# Altium PCB OneBox.PcbDoc (part 5 of 13)
Units mm, origin at the board's own origin, x right, y up, seen from the top; angles counter-clockwise.
Board outline 101 x 69 mm, 6 copper layers (L1_Sig, L2_Gnd, L3_Pow, L4_Sig, L5_Gnd, L6_Sig), stack 1.538 mm thick; 766 components, 563 nets, 3133 pads, 2914 vias.
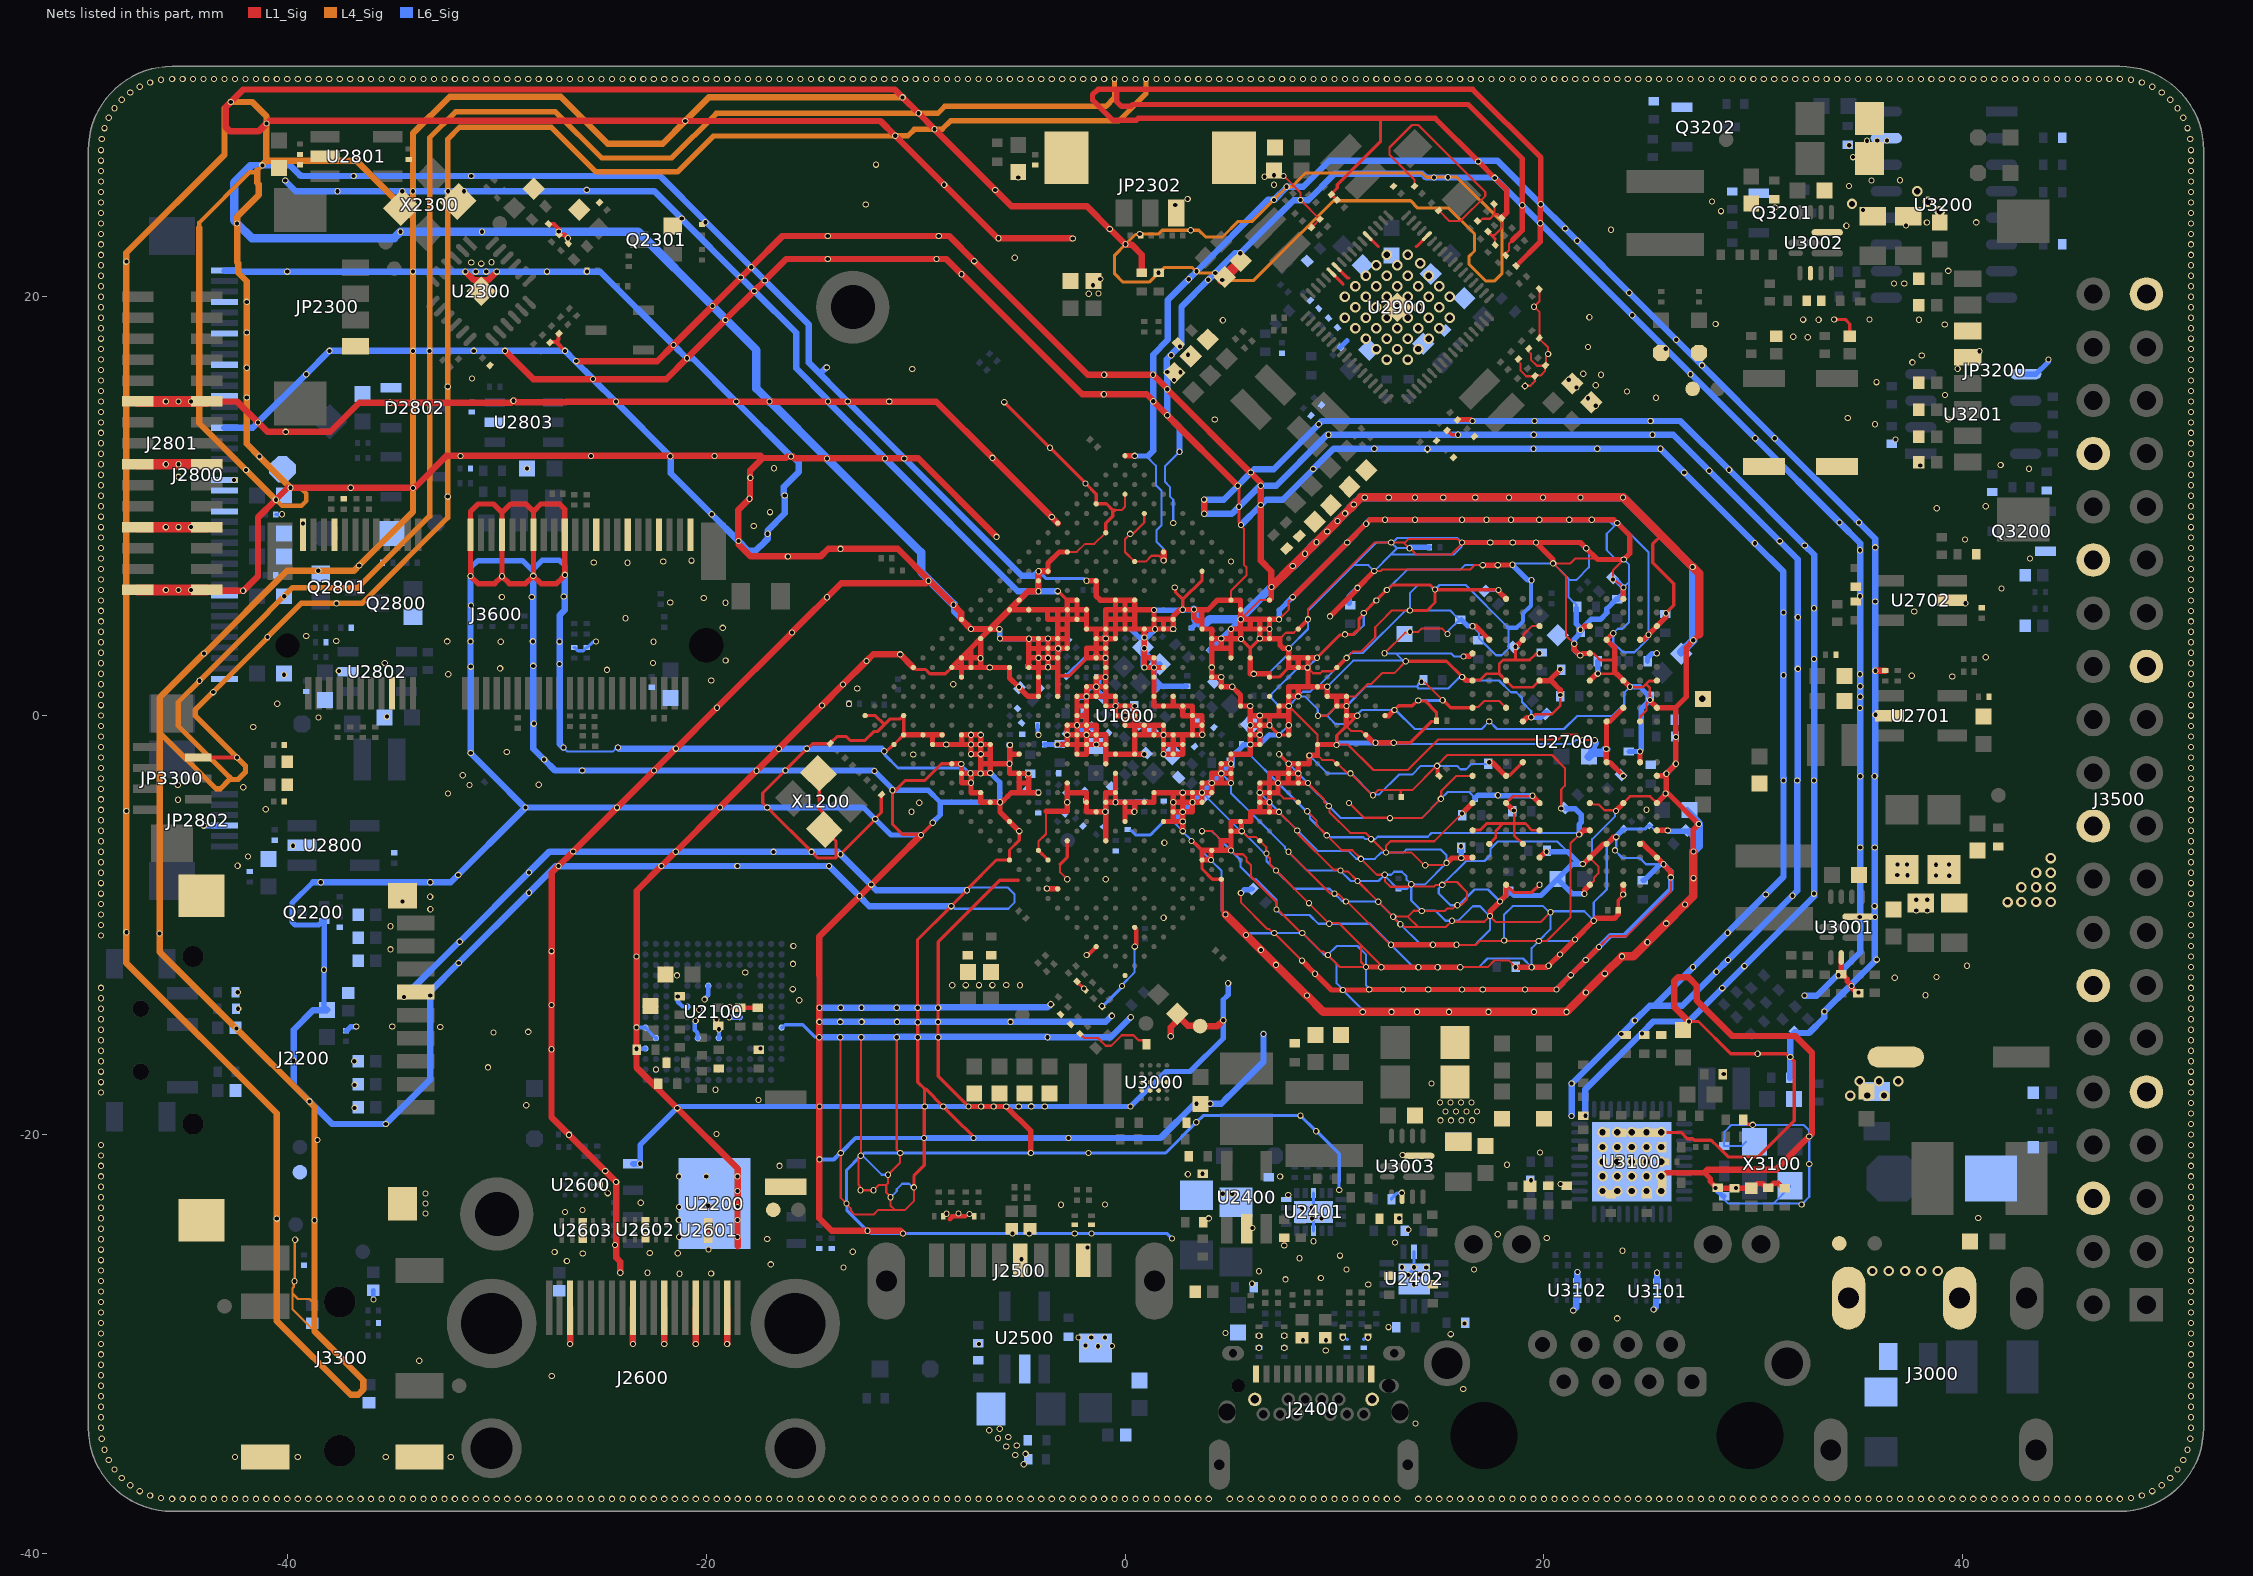
[diagram p9: the nets of this part, all layers, seen from the top]

## Via types
v1: diameter 0.3, hole 0.2, L1_Sig to L6_Sig, tented both sides, 2711 vias
v2: diameter 0.5, hole 0.3, L1_Sig to L6_Sig, tented both sides, 199 vias
v3: diameter 0.305, hole 0.203, L1_Sig to L6_Sig, tented both sides, 4 vias

## Nets (pads, with @x,y where several pads share a name; then routed paths per layer and width w, separated by ;. In a path a pad name is that pad's centre, name@x,y a point inside that pad or via, vN(x,y) a via of type N, cw(c..) or ccw(c..) an arc to the next point about the centre after c; other vN are vias at no path point) (continued)
GND: C1000.1 C1001.1 C1002.1 C1003.1 C1004.1 C1005.1 C1006.1 C1007.1 C1008.1 C1009.1 C1010.1 C1011.1 C1012.1 C1013.1 C1014.1 C1015.1 C1016.1 C1017.1 C1018.1 C1019.1 C1020.1 C1100.1 C1101.1 C1102.1 C1103.1 C1104.1 C1105.1 C1106.1 C1107.1 C1108.1 C1109.1 C1200.1 C1201.1 C1202.1 C1203.1 C1204.1 C1205.1 C1206.1 C1207.1 C1208.1 C1209.1 C1210.1 C1211.1 C1212.1 C1213.1 C1214.1 C1300.1 C1400.1 C1401.1 C1402.1 C1500.1 C1600.1 C1601.1 C1700.1 C1701.1 C1702.1 C1703.1 C1704.1 C1705.1 C1706.1 C1707.1 C1708.1 C1709.1 C1710.1 C1800.1 C1801.1 C1802.1 C1803.1 C1804.1 C1805.1 C1806.1 C1807.1 C1808.1 C1809.1 C1810.1 C1811.1 C1812.1 C1900.1 C1901.1 C1902.1 C1903.1 C1904.1 C1905.1 C1906.1 C1907.1 C1908.1 C1909.1 C1910.1 C1911.1 C1912.1 C1913.1 C1914.1 C2000.1 C2100.2 C2101.2 C2102.2 C2103.2 C2104.2 C2105.2 C2106.2 C2107.2 C2108.2 C2109.2 C2200.2 C2201.2 C2202.2 C2203.2 C2300.1 C2301.1 C2302.1 C2303.2 C2304.2 C2305.1 C2306.1 C2307.1 C2308.1 C2309.1 C2310.1 C2400.1 C2401.1 C2402.1 C2403.1 C2404.1 C2405.1 C2410.1 C2411.1 C2412.1 C2413.1 C2414.1 C2502.1 C2503.1 C2504.1 C2505.1 C2506.1 C2600.2 C2700.1 C2701.1 C2702.1 C2703.1 C2704.1 C2705.1 C2706.1 C2707.1 C2708.1 C2709.1 C2710.1 C2711.1 C2712.1 C2713.1 C2714.1 C2715.1 C2716.1 C2717.1 C2718.1 C2719.1 C2720.1 C2721.1 C2722.1 C2723.1 C2724.1 C2725.1 C2726.1 C2727.1 C2728.1 C2729.1 C2730.1 C2731.1 C2732.1 C2733.1 C2734.1 C2735.1 C2736.1 C2737.1 C2738.1 C2739.1 C2740.1 C2741.1 C2742.1 C2743.1 C2744.1 C2746.1 C2747.1 C2748.1 C2749.1 C2750.1 C2751.1 C2752.1 C2753.1 C2754.1 C2755.1 C2756.1 C2757.1 C2758.1 C2759.1 C2760.1 C2800.2 C2801.2 C2802.2 C2803.2 C2804.2 C2805.2 C2806.2 C2807.1 C2808.2 C2809.2 C2811.2 C2813.1 C2814.1 C2815.2 C2900.1 C2902.1 C2903.1 C2905.1 C2906.1 C2907.1 C2908.1 C2909.1 C2911.1 C2912.1 C2913.1 C2914.1 C2915.1 C2916.1 C2917.1 C2918.1 C2919.1 C2920.1 C2921.1 C2922.1 C2923.1 C2924.1 C2925.1 C2926.1 C2927.1 C2928.1 C2929.1 C2930.2 C2931.2 C2932.2 C2933.2 C2934.2 C2935.2 C2936.2 C2937.2 C2938.2 C2939.2 C2940.2 C2941.2 C2942.2 C2943.2 C2945.2 C2946.2 C2947.2 C2948.2 C2949.2 C2950.2 C2951.2 C2953.2 C3000.1 C3001.1 C3003.1 C3004.1 C3005.1 C3006.1 C3007.1 C3008.1 C3009.1 C3010.1 C3011.2 C3012.2 C3013.2 C3014.2 C3015.2 C3018.2 C3019.2 C3020.2 C3021.2 C3022.2 C3023.2 C3024.2 C3025.2 C3026.2 C3027.2 C3029.2 C3030.2 C3031.2 C3032.2 C3033.2 C3034.2 C3035.2 C3037.2 C3038.2 C3039.2 C3040.2 C3042.2 C3043.2 C3045.2 C3046.2 C3049.2 C3100.1 C3101.2 C3102.1 C3103.1 C3104.1 C3105.1 C3106.1 C3107.1 C3108.1 C3109.1 C3110.1 C3111.1 C3112.1 C3113.1 C3114.1 C3115.1 C3116.1 C3117.1 C3118.1 C3119.1 C3120.1 C3121.1 C3202.1 C3203.1 C3204.1 C3205.1 C3300.1 C3302.1 C3303.1 C3400.1 C3600.2 C3603.2 C3604.2 C3605.2 C3606.2 C3607.2 D2802.2 D3000.1 DZ2800.1 DZ2801.2 ED2200.2 ED2201.2 ED2202.2 ED2203.2 ED2204.2 ED2205.2 ED2206.2 ED2400.2 ED2401.2 ED2402.2 ED2403.2 ED2404.2 ED2405.2 ED2406.2 ED2407.2 ED2408.2 ED2409.2 ED2410.2 ED2500.2 ED2501.2 ED2502.2 ED2503.2 ED2504.2 ED2505.2 ED2506.2 ED2600.2 ED3100.2 ED3101.2 ED3200.2 ED3201.2 ED3202.2 ED3203.2 ED3204.2 ED3205.2 ED3300.2 ED3301.2 ED3302.2 ED3303.2 ED3304.2 ED3400.2 ED3401.2 ED3402.2 ED3405.2 ED3500.2 ED3501.2 ED3502.2 ED3503.2 J2200.6 J2200.10 J2400.A1 J2400.A12 J2400.B1 J2400.B12 J2500.4 J2500.7 J2600.2 J2600.5 J2600.8 J2600.11 J2600.17 J2800.1 J2800.9 J2800.17 J2800.19 J2800.20 J2800.25 J2800.28 J2800.31 J2800.34 J2800.37 J2800.40 J2801.1 J2801.4 J2801.7 J2801.10 J3000.2 J3000.3 J3300.1 J3300.2 J3500.6 J3500.9 J3500.14 J3500.20 J3500.25 J3500.30 J3500.34 J3500.39 J3600.1 J3600.7 J3600.18 J3600.33 J3600.39 J3600.45 J3600.51 J3600.57 J3600.63 J3600.69 J3600.75 JP2300.4 JP2302.0 JP2302.1 JP2802.3 JP3200.5 JP3200.6 JP3300.2 LED3400.2 LED3401.2 Q2200.2 Q2301.2 Q2800.2 Q2801.2 Q3200.2 Q3201.2 Q3202.2 R1800.1 R1900.2 R2103.2 R2201.2 R2305.1 R2306.1 R2314.2 R2411.2 R2412.2 R2414.2 R2415.2 R2507.2 R2508.2 R2509.2 R2603.1 R2704.2 R2800.2 R2801.2 R2803.2 R2806.2 R2808.2 R2810.1 R2811.1 R2814.2 R2816.2 R2904.1 R2910.2 R2911.2 R3002.1 R3019.2 R3100.1 R3102.1 R3121.2 R3125.1 R3127.1 R3128.1 R3129.1 R3130.1 R3205.1 R3207.1 R3210.2 R3213.2 R3307.2 R3403.1 R3408.1 R3410.1 R3614.1 SW1400.2 SW3400.2 SW3401.2 TP1403.1 TP1701.1 TP3001.1 TP3401.1 TP3403.1 U1000.A1 U1000.A3 U1000.A6 U1000.A10 U1000.A14 U1000.A18 U1000.A28 U1000.AA4 U1000.AA9 U1000.AA12 U1000.AA14 U1000.AA15 U1000.AA17 U1000.AA23 U1000.AA24 U1000.AA26 U1000.AB2 U1000.AB6 U1000.AB11 U1000.AB12 U1000.AB14 U1000.AB15 U1000.AB17 U1000.AB24 U1000.AC9 U1000.AC11 U1000.AC12 U1000.AC15 U1000.AC18 U1000.AC25 U1000.AC26 U1000.AD3 U1000.AD26 U1000.AE6 U1000.AE14 U1000.AE17 U1000.AE20 U1000.AE21 U1000.AE27 U1000.AE28 U1000.AF3 U1000.AF9 U1000.AF11 U1000.AF12 U1000.AF14 U1000.AF15 U1000.AF17 U1000.AF18 U1000.AF20 U1000.AF21 U1000.AF26 U1000.AG5 U1000.AG18 U1000.AH1 U1000.AH8 U1000.AH18 U1000.AH23 U1000.AH28 U1000.B5 U1000.B9 U1000.B12 U1000.B16 U1000.B23 U1000.B26 U1000.C3 U1000.C6 U1000.C8 U1000.C9 U1000.C11 U1000.C12 U1000.C14 U1000.C15 U1000.C17 U1000.C18 U1000.C25 U1000.D2 U1000.D3 U1000.D11 U1000.D28 U1000.E3 U1000.E7 U1000.F1 U1000.F3 U1000.F9 U1000.F12 U1000.F14 U1000.F15 U1000.F17 U1000.G5 U1000.G6 U1000.G8 U1000.G9 U1000.G11 U1000.G12 U1000.G14 U1000.G15 U1000.G17 U1000.G18 U1000.G24 U1000.H2 U1000.H3 U1000.H6 U1000.J3 U1000.J5 U1000.J8 U1000.J17 U1000.J18 U1000.J20 U1000.J22 U1000.J26 U1000.J27 U1000.K1 U1000.K11 U1000.K12 U1000.K13 U1000.K14 U1000.K19 U1000.L3 U1000.L5 U1000.L8 U1000.L11 U1000.L13 U1000.L14 U1000.L19 U1000.L20 U1000.L21 U1000.L24 U1000.L26 U1000.M2 U1000.M3 U1000.M6 U1000.M8 U1000.M11 U1000.M13 U1000.M14 U1000.M16 U1000.M18 U1000.M21 U1000.M26 U1000.N1 U1000.N11 U1000.N12 U1000.N14 U1000.N15 U1000.N17 U1000.N18 U1000.N28 U1000.P3 U1000.P6 U1000.P12 U1000.P14 U1000.P15 U1000.P17 U1000.P21 U1000.P26 U1000.R3 U1000.R6 U1000.R10 U1000.R11 U1000.R14 U1000.R15 U1000.R17 U1000.R18 U1000.R19 U1000.R23 U1000.R26 U1000.T10 U1000.T11 U1000.T14 U1000.T15 U1000.T17 U1000.T18 U1000.T19 U1000.U1 U1000.U6 U1000.U7 U1000.U8 U1000.U10 U1000.U14 U1000.U15 U1000.U16 U1000.U17 U1000.U18 U1000.U23 U1000.U26 U1000.V3 U1000.V8 U1000.V9 U1000.V13 U1000.V14 U1000.V15 U1000.V16 U1000.V20 U1000.V22 U1000.V23 U1000.V26 U1000.W10 U1000.W11 U1000.W12 U1000.W13 U1000.W17 U1000.Y8 U1000.Y9 U1000.Y11 U1000.Y12 U1000.Y18 U1000.Y23 U1000.Y24 U1000.Y26 U2100.A6 U2100.C4 U2100.E7 U2100.G5 U2100.H10 U2100.J5 U2100.K8 U2100.N2 U2100.N5 U2100.P4 U2100.P6 U2200.4 U2200.9 U2300.25 U2400.2 U2401.3 U2401.12 U2401.18 U2401.19 U2402.9 U2402.15 U2500.2 U2600.D2 U2601.3 U2601.8 U2602.3 U2602.8 U2603.3 U2603.8 U2700.A3 U2700.A10 U2700.AB3 U2700.AB5 U2700.AB8 U2700.AB10 U2700.C1 U2700.C5 U2700.C8 U2700.C12 U2700.D2 U2700.D4 U2700.D9 U2700.D11 U2700.E1 U2700.E5 U2700.E8 U2700.E12 U2700.G1 U2700.G3 U2700.G5 U2700.G8 U2700.G10 U2700.G12 U2700.J1 U2700.J3 U2700.J10 U2700.J12 U2700.K2 U2700.K4 U2700.K9 U2700.K11 U2700.N2 U2700.N4 U2700.N9 U2700.N11 U2700.P1 U2700.P3 U2700.P10 U2700.P12 U2700.T1 U2700.T3 U2700.T5 U2700.T8 U2700.T10 U2700.T12 U2700.V1 U2700.V5 U2700.V8 U2700.V12 U2700.W2 U2700.W4 U2700.W9 U2700.W11 U2700.Y1 U2700.Y5 U2700.Y8 U2700.Y12 U2701.2 U2702.2 U2800.2 U2801.2 U2802.2 U2803.2 U2900.47 U2900.56 U2900.62 U2900.63 U2900.69 U3000.B2 U3000.B3 U3000.B4 U3000.C1 U3000.C2 U3000.C3 U3000.C4 U3001.2 U3001.10 U3002.2 U3002.10 U3003.2 U3003.10 U3100.41 U3101.3 U3101.8 U3102.3 U3102.8 U3200.15 U3201.5 X1200.2 X1200.4 X2300.2 X2300.4 X3100.2 X3100.4 | length 3295.1
  L1_Sig w0.089: U1000.AF9@-2.758,7.814 -2.3,7.814 -1.913,8.2 -1.464,8.2 -0.932,8.733 U1000.AE6@-0.919,8.733
  L1_Sig w0.102: v1(-13.6,-15.356) -13.588,-15.368 -13.588,-20.875 v1(-13.576,-20.887) -13.576,-23.024 v1(-13.3,-23.3) -13.3,-23.328 -13.1,-23.528 -13.1,-23.632 -12.907,-23.826 -12.013,-23.826 -11.787,-23.6 -11,-23.6 ; v1(-12.6,-15.356) -12.608,-15.364 -12.608,-21.009 v1(-12.616,-21.017) -12.616,-21.071 -12.733,-21.187 -12.733,-22.389 -12.669,-22.453 -12.669,-22.627 v1(-12.631,-22.665) -12.628,-22.662 -12.011,-22.662 v1(-12.008,-22.659) -11.761,-22.412 -11.4,-22.412 ; v1(-10.9,-15.356) -10.9,-20.72 v1(-10.737,-20.883) -10.737,-21.335 -11.321,-21.919 -11.321,-21.921 v1(-11.323,-21.921) -11.323,-22.335 -11.4,-22.412 ; v1(-10.085,-22.525) -10.085,-23.185 -10.5,-23.6 -11,-23.6 ; U1000.M26@-4.137,-6.435 -4.137,-6.014 -3.775,-5.653 -3.775,-4.565 ; v1(-3.551,-13.782) -3.548,-13.785 C1702.1@-3.54,-13.785 ; -3.1,-7.1 -3.1,-7.479 U1000.J26@-2.765,-7.814 ; C1703.1@-2.147,-15.19 -1.942,-15.395 -1.294,-15.395 -0.924,-15.765 -0.665,-15.765 -0.162,-15.262 0.402,-15.262 0.641,-15.501 0.876,-15.501 1.025,-15.65 R3410.1@1.025,-15.7 ; U1000.AE6@-0.919,8.733 U1000.AE6@-0.89,8.733 ; -0.495,9.809 -0.165,9.809 0,9.974 U1000.AF3@0,10.571 ; U1000.AD3@0.919,9.652 0.919,9.219 0.416,8.716 0.29,8.716 v1(0.252,8.678) 0,8.426 0,7.814 U1000.AB6@0.46,7.354 0.987,7.354 1.264,7.631 1.62,7.631 1.836,7.415 1.838,7.415 v1@1.848,7.415 ; v1(2.758,-5.515) v1@2.813,-5.515 ; 3.638,-6.396 3.677,-6.435 ; v1@3.638,-5.622 3.638,-5.554 v1(3.677,-5.515) 4.165,-5.515 4.596,-5.947 4.596,-5.975 ; U1000.R3@5.056,5.515 5.056,5.956 5.8,6.7 5.8,7.08 5.674,7.206 5.674,8.924 5.534,9.065 v1(5.534,9.103) ; v1(5.056,7.354) U1000.U1@5.057,7.354 ; v1(5.061,-6.44) 5.089,-6.44 5.266,-6.617 5.63,-6.617 5.8,-6.787 5.8,-6.94 6.013,-7.152 6.013,-7.685 6.828,-8.5 7.231,-8.903 7.231,-9.251 v1(7.235,-9.255) 7.284,-9.255 8.412,-10.383 v1(8.462,-10.383) ; v1(5.522,4.599) 6.439,5.515 U1000.N1@6.894,5.515 ; v1(5.53,-8.468) 5.53,-8.919 6.804,-10.194 6.884,-10.194 7.07,-10.379 v1(7.125,-10.379) ; v1@5.568,-5.516 5.852,-5.8 6.26,-5.8 U1000.A14@6.435,-5.975 6.741,-6.281 6.741,-6.53 6.773,-6.563 6.773,-6.664 6.917,-6.808 6.917,-7.107 v1(7.204,-7.394) 7.211,-7.394 8.779,-8.961 8.779,-8.964 9.747,-9.932 v1(9.747,-9.941) ; U1000.H6@6.894,0.919 U1000.H6@6.923,0.919 ; v1@7.114,-10.39 7.137,-10.39 8.447,-11.7 v1(8.449,-11.7) ; C2931.2@7.117,26.039 7.393,25.763 v1(7.563,25.763) ; 7.3,-3.677 7.577,-3.954 8.063,-3.954 8.245,-4.137 U1000.A10@8.273,-4.137 ; v1(7.354,-4.596) 7.354,-4.607 8.218,-5.471 v1(8.218,-5.482) 8.257,-5.521 8.257,-5.653 9.965,-7.361 10.244,-7.361 v1(10.283,-7.4) ; U1000.G6@7.354,0.46 U1000.G6@7.354,0.488 ; v1(7.354,4.596) 7.818,5.06 7.818,5.466 v1(8.009,5.658) ; 7.4,3.677 7.677,3.954 8.063,3.954 8.245,4.137 U1000.K1@8.273,4.137 ; v1@7.564,25.774 7.571,25.774 8.377,24.969 v1(8.377,24.615) ; v1(7.8,-6.5) 9.786,-8.486 v1@9.986,-8.486 ; U1000.E7@7.814,-0.919 U1000.E7@7.842,-0.919 ; v1(7.814,0.46) 9.192,-0.919 U1000.C6@9.192,-1.379 ; v1@8.383,24.658 8.383,24.617 9.299,23.7 R2911.2@9.304,23.7 ; v1@8.491,-10.399 9.352,-11.259 9.458,-11.259 9.629,-11.43 v1(9.684,-11.43) 10.253,-12 v1(11.5,-12) 11.266,-11.766 11.266,-10.966 ; v1(8.702,-4.568) 9.146,-5.013 9.146,-5.231 9.57,-5.655 v1@9.57,-5.782 ; v1(8.714,2.29) 8.73,2.275 8.733,2.272 8.984,2.021 9.321,2.021 9.416,2.116 9.902,2.116 10.084,2.298 U1000.F1@10.112,2.298 ; v1(8.733,-3.217) 8.733,-3.238 9.496,-4.001 9.496,-4.111 9.696,-4.312 v1(9.722,-4.312) 9.761,-4.351 9.761,-4.615 10.745,-5.598 11.482,-5.598 11.749,-5.866 v1(11.749,-5.898) 11.792,-5.898 12.38,-6.486 12.448,-6.486 v1@12.458,-6.477 ; v1(8.733,4.596) 8.742,4.605 8.742,5.097 11.907,8.262 v1(12.712,8.262) 13.308,8.262 13.335,8.234 ; v1(8.8,-1.9) v1@8.8,-1.877 ; C2942.2@8.9,23.3 8.903,23.3 R2911.2@9.304,23.7 ; 9.192,-1.9 9.408,-2.116 9.902,-2.116 10.084,-2.298 U1000.A6@10.112,-2.298 10.152,-2.298 10.222,-2.368 10.23,-2.368 10.581,-2.719 10.724,-2.719 v1(10.763,-2.758) 11.805,-3.801 v1(11.835,-3.801) 12.076,-3.559 13.166,-3.559 ; v1(9.212,-0.008) 9.633,-0.008 10.101,0.46 U1000.D3@10.112,0.46 ; R2911.2@9.307,23.7 R2911.2@9.304,23.7 ; v1(9.634,-5.719) v1@9.57,-5.782 ; v1@9.786,-9.902 10.044,-9.902 10.046,-9.9 10.2,-9.9 11.266,-10.966 ; v1(10,-8.5) 10.031,-8.531 10.197,-8.531 v1(10.544,-8.878) ; U1000.B5@10.112,-1.379 10.639,-1.379 11.86,-2.6 13.5,-2.6 14.959,-1.141 20.692,-1.141 20.923,-0.91 21.599,-0.91 v1(21.86,-1.171) 21.862,-1.173 22.429,-1.173 v1(22.431,-1.174) ; v1@10.283,-7.383 10.339,-7.438 10.638,-7.438 v1(11.1,-7.9) v1(12.088,-8.888) ; v1@10.558,-8.848 12.656,-10.946 v1(12.7,-10.946) ; 10.562,-0.5 10.799,-0.737 11.28,-0.737 11.463,-0.919 U1000.A3@11.491,-0.919 ; U1000.D2@10.571,0.919 10.991,0.919 11.574,1.502 11.745,1.502 12.268,2.026 12.846,2.026 13.405,2.585 v1(13.405,2.594) ; v1(10.58,2.757) 10.58,2.766 10.87,3.057 11.264,3.057 11.947,3.739 11.947,4.225 12.204,4.483 12.74,5.019 v1@13.598,5.019 ; v1(10.698,-4.17) 11.406,-4.878 12.631,-4.878 v1(12.648,-4.895) 14.159,-4.895 v1(15.079,-3.975) 15.079,-3.979 15.1,-4 15.1,-3.6 15.824,-2.876 U2700.P1@16.592,-2.876 ; v1(11.261,-6.839) v1@11.2,-6.9 ; v1(11.9,6.9) 12.195,6.9 12.274,6.979 16.479,6.979 16.684,7.184 v1(17.079,7.184) ; v1@12.09,-8.89 v1(12.8,-9.6) ; v1@12.224,-12.006 v1(12.23,-12.012) 12.23,-11.957 12.157,-11.885 12.157,-11.857 11.266,-10.966 ; v1(12.385,2.975) 13.371,3.961 13.561,3.961 v1(13.6,4) 14,4 14.151,4.151 15.149,4.151 v1(15.4,3.9) ; v1(13.145,-9.961) 13.119,-9.961 12.8,-9.642 v1(12.8,-9.6) ; v1@13.153,-9.961 13.2,-9.961 13.326,-10.087 13.987,-10.087 ; C2717.1@13.198,-3.884 13.166,-3.852 13.166,-3.559 ; C2938.2@13.823,25.277 13.841,25.294 13.841,25.399 13.823,25.417 13.823,25.589 12.626,26.786 12.626,27.126 13.7,28.2 14,28.2 17.2,25 17.2,24.802 16.012,23.615 15.485,23.615 C2937.2@14.977,24.123 ; v1(14.15,1.613) 14.189,1.574 14.326,1.574 v1(15.164,0.736) ; v1(14.163,-9.328) 14.156,-9.32 13.78,-9.32 13.5,-9.6 ; v1@14.163,-9.32 14.171,-9.328 15.272,-9.328 15.396,-9.204 15.667,-9.204 15.813,-9.058 v1(15.868,-9.058) ; v1(15.148,-8.082) 14.833,-8.082 14.757,-8.158 13.821,-8.158 13.719,-8.056 v1(13.664,-8.056) 13.621,-8.056 13.503,-8.175 12.675,-8.175 12.405,-7.905 12.405,-7.605 v1(12.4,-7.6) 12.022,-7.6 11.321,-6.9 v1@11.2,-6.9 ; v1@15.182,-8.048 15.209,-8.048 15.309,-7.948 15.848,-7.948 16.319,-8.419 16.319,-8.781 16.069,-9.031 15.95,-9.031 v1@15.887,-9.094 ; v1(15.351,-7.032) 15.296,-7.032 15.194,-7.134 14.351,-7.134 v1(14.337,-7.147) 14.289,-7.147 13.683,-6.541 12.522,-6.541 v1@12.458,-6.477 ; v1(15.822,-10.946) 16.754,-10.946 16.935,-10.765 18.076,-10.765 v1(18.1,-10.74) ; v1(16.002,-12.012) 17.312,-12.012 17.637,-11.688 18.321,-11.688 v1(18.646,-12.013) ; v1@16.037,8.262 15.861,8.438 13.539,8.438 13.335,8.234 ; v1@16.092,8.205 v1@16.092,8.207 ; v1(16.092,8.262) v1@16.092,8.207 ; v1(16.093,-4.67) 14.763,-6 12.678,-6 12.458,-6.22 v1@12.458,-6.477 ; U2700.J1@16.592,0.374 16.63,0.411 16.868,0.411 17.157,0.7 17.865,0.7 18.167,0.398 U2700.J3@18.167,0.349 ; C2936.2@16.822,23.617 16.84,23.6 16.945,23.6 17.071,23.725 17.425,23.725 17.638,23.938 ; 17.494,22.948 17.648,22.948 18.002,23.302 18.002,23.748 C2940.2@17.984,23.766 17.812,23.938 17.638,23.938 ; C2947.2@17.62,24.426 17.638,24.408 17.638,23.938 ; 17.659,22.741 17.659,22.494 C2951.2@17.677,22.477 ; v1@18.1,-10.765 v1(19.754,-10.765) 20.13,-10.765 21.271,-9.623 21.271,-6.09 v1(21.681,-5.681) ; C2953.2@18.177,21.977 18.177,22.063 18.33,22.216 18.33,22.53 18.5,22.7 ; C2923.1@18.777,17.023 18.777,16.92 18.876,16.82 18.876,16.484 19.155,16.206 C2915.1@19.559,16.206 ; U2700.D4@18.992,3.624 19.026,3.658 19.026,3.876 19.423,4.274 U2700.C5@19.792,4.274 ; v1(19.097,15.736) 19.119,15.758 19.22,15.758 19.226,15.752 19.352,15.752 19.469,15.869 19.559,15.959 C2915.1@19.559,16.206 ; C2924.1@19.277,17.523 19.259,17.506 19.259,17.401 19.376,17.284 19.376,16.996 19.667,16.706 C2950.2@20.059,16.706 ; C2946.2@19.794,20.359 19.794,19.794 v1(19.525,19.525) 19.794,19.255 19.794,18.041 C2949.2@19.777,18.023 19.777,18 20.2,17.577 v1(20.2,17.264) 20.094,17.158 20.094,16.741 C2950.2@20.059,16.706 ; v1(20.31,-9.388) 19.844,-9.855 17.702,-9.855 v1(17.421,-9.573) 17.154,-9.84 15.777,-9.84 15.773,-9.836 15.655,-9.836 v1(15.616,-9.798) 15.326,-10.087 13.987,-10.087 ; v1(20.83,-4.44) 20.83,-3.527 21,-3.357 21,-2.5 20.384,-1.884 15.389,-1.884 14.9,-2.372 v1(14.9,-2.4) 14.872,-2.4 13.714,-3.559 13.166,-3.559 ; v1(21.444,3.431) 21.05,3.824 21.05,6.659 v1(20.44,7.27) 21.27,7.27 21.5,7.5 22.511,7.5 22.559,7.452 ; U2700.AB8@22.192,-8.076 22.396,-7.872 22.396,-7.733 22.6,-7.529 22.6,-7.2 22.192,-6.792 U2700.Y8@22.192,-6.776 ; U2700.T8@22.192,-4.176 22.23,-4.214 22.323,-4.214 22.35,-4.241 22.614,-4.241 22.889,-4.517 23.4,-4.517 v1(23.437,-4.554) ; v1(22.629,-11.046) 23.139,-10.536 23.936,-10.536 26.06,-8.413 v1(26.06,-7.723) ; v1(23.795,6.115) 23.58,6.331 23.524,6.331 23.355,6.5 v1(23.3,6.5) 23.3,6.939 v1(23.813,7.452) ; U2700.K11@24.592,-0.276 24.609,-0.259 24.609,-0.044 24.894,0.241 24.894,0.579 v1(25.061,0.746) ; 27.664,-21.821 27.686,-21.8 ; -11.4,-22.412 -11.4,-22.772 -11.2,-22.972 v1(-11.2,-23) -11.2,-23.4 -11,-23.6 ; v1@9.57,-5.782 9.697,-5.782 10.346,-6.432 10.853,-6.432 11.2,-6.779 v1@11.2,-6.9 ; v1(12.8,-9.6) 13.5,-9.6 ; 13.335,8.234 v1(13.577,7.992) 13.611,7.992 13.908,7.695 15.583,7.695 16.006,8.119 16.006,8.122 v1@16.092,8.207 ; 13.5,-9.6 13.987,-10.087 ; C2915.1@19.559,16.206 19.595,16.241 19.841,16.241 20.059,16.459 C2950.2@20.059,16.706
  L1_Sig w0.127: v1@12.541,6 12.779,6.237 14.583,6.237 v1(14.8,6.021) ; U2700.V1@16.592,-5.476 16.61,-5.458 16.96,-5.458 17.27,-5.149 18.056,-5.149 ; U2700.G1@16.616,1.698 16.955,1.698 17.257,2 17.865,2 17.865,2.465 18.056,2.656 18.687,2.656 19.318,2.656 19.611,2.949 U2700.E5@19.767,2.949 ; U2700.W2@17.392,-6.126 17.7,-5.818 17.7,-5.614 17.707,-5.607 17.707,-5.498 18.056,-5.149 ; U2700.G3@18.192,1.674 18.507,1.358 19.476,1.358 U2700.G5@19.792,1.674 ; 18.521,-3.847 19.434,-3.847 v1(19.452,-3.829) ; v1(18.562,-4.528) 18.583,-4.549 18.583,-5.149 ; U2700.W4@18.992,-6.126 18.583,-5.717 18.583,-5.149 ; v1(19.397,-0.079) 19.446,-0.079 19.583,0.058 20.358,0.058 20.782,0.482 v1(20.782,0.981) ; U2700.V5@19.792,-5.476 19.437,-5.476 19.109,-5.149 18.583,-5.149 ; U2700.E8@22.216,2.949 22.381,2.949 22.675,2.656 23.362,2.656 ; v1(22.575,2.005) 23.46,2.005 ; U2700.T10@23.792,-4.176 24.109,-3.859 25.074,-3.859 U2700.T12@25.392,-4.176 ; v1@24.134,1.356 24.723,1.356 24.873,1.506 ; v1(25.061,0.746) 25.061,1.318 24.873,1.506 ; U2700.G12@25.389,1.671 25.371,1.653 25.021,1.653 24.873,1.506 ; 18.056,-5.149 18.583,-5.149
  L1_Sig w0.152: v1(-17.087,-4.387) v1(-14.969,-6.506) -14.675,-6.8 -13.8,-6.8 ; v1(-17.087,-4.387) -17.3,-4.174 -17.3,-3.697 -16.222,-2.619 v1(-16.219,-2.619) ; v1@-16.203,-2.6 -16.203,-2.592 -15.2,-1.588 v1(-15.2,-1.577) ; v1@-15.191,-1.586 -15.168,-1.586 -14.923,-1.341 C1202.1@-14.095,-1.341 ; X1200.2@-14.641,-2.756 -14.606,-2.792 -14.606,-4.455 -14.359,-4.703 X1200.4@-14.359,-5.444 -13.8,-6.002 -13.8,-6.8 ; C1202.1@-14.077,-1.323 C1202.1@-14.008,-1.323 ; C1202.1@-13.972,-1.287 C1202.1@-14.008,-1.323 ; U1000.AH28@-12.41,0 -11.919,0 -11.531,-0.388 -11.531,-0.469 ; C1201.1@-11.623,-3.777 -11.641,-3.794 -11.641,-4.625 -11.93,-4.914 v1(-11.93,-4.937) -11.93,-4.96 v1(-13.586,-6.616) -13.616,-6.616 -13.8,-6.8 ; v1(-11.496,-1.705) -11.468,-1.677 -11.365,-1.677 -11.12,-1.432 -11.11,-1.432 -11.057,-1.379 U1000.AE28@-11.031,-1.379 U1000.AE27@-10.571,-0.919 U1000.AF26@-10.571,0 -10.728,-0.157 -11.219,-0.157 -11.531,-0.469 ; U1000.AH23@-10.112,2.298 -10.085,2.298 -9.987,2.2 -9.523,2.2 -9.318,1.995 -8.576,1.995 U1000.AF21@-8.273,2.298 ; v1(-10.085,-22.525) -10.085,-21.978 -9.586,-21.479 -9.586,-20.183 v1(-9.6,-20.168) ; v1@-9.914,-13.951 -9.914,-10.713 v1(-8.297,-9.097) ; v1(-9.901,-13.951) -9.898,-13.954 -9.898,-14.586 -9.895,-14.589 -9.897,-14.592 -9.897,-15.204 -9.9,-15.206 v1(-9.9,-15.356) -9.9,-17.5 -9.575,-17.825 ; v1@-9.587,-20.161 -9.587,-19.313 -9.587,-18.689 v1@-9.575,-18.677 ; v1(-9.567,-18.668) -9.575,-18.66 -9.575,-17.825 ; v1(-9.185,-5.115) -9.185,-5.142 -9.708,-5.665 -10.635,-5.665 -11.1,-5.2 -11.1,-3.7 -10.5,-3.1 -9.566,-3.1 -8.764,-2.298 U1000.AA26@-8.273,-2.298 ; v1@-8.931,-14.573 -8.928,-14.571 -8.928,-13.954 v1(-8.926,-13.951) -8.922,-13.947 -8.922,-10.804 -5.98,-7.862 -5.098,-7.862 ; v1@-8.913,-14.555 -8.927,-14.57 -8.927,-15.202 -8.924,-15.206 v1(-8.924,-15.356) -8.924,-17.217 v1(-7.472,-18.668) ; v1@-8.297,-9.069 -8.275,-9.069 -7.547,-8.341 v1(-7.547,-8.336) ; v1@-7.541,-8.325 -7.541,-8.291 -6.144,-6.894 U1000.N28@-5.515,-6.894 -5.515,-6.415 -5.056,-5.956 v1(-5.056,-5.515) ; C3006.1@-7.252,-17.998 C3006.1@-7.2,-18.05 ; v1(-7.232,-20.168) -7.232,-20.128 -7.305,-20.055 -7.305,-20.046 -8.087,-19.264 v1(-8.683,-18.668) -9.526,-17.825 -9.575,-17.825 ; v1(-5.771,14.968) -5.766,14.968 -3.588,12.79 v1(-3.582,12.79) ; U1000.M26@-4.137,-6.435 U1000.L26@-3.677,-6.894 ; v1@-3.607,12.806 -3.602,12.806 -1.885,11.088 v1(-1.885,11.085) ; -3.217,1.9 -2.668,1.9 -1.838,2.729 -1.838,2.758 ; v1(-3.211,5.944) -3.186,5.944 -2.758,5.515 ; -3.1,-7.1 -2.758,-6.758 U1000.L24@-2.758,-5.975 ; U1000.J26@-2.765,-7.814 v1(-2.758,-7.814) ; R3408.1@-2.3,-12.7 C1704.1@-1.957,-13.043 ; v1(-1.957,-13.035) C1704.1@-1.957,-13.043 ; C1704.1@-1.9,-13.1 C1704.1@-1.957,-13.043 ; C1704.1@-1.9,-13.043 -1.905,-13.048 -1.952,-13.048 C1704.1@-1.957,-13.043 ; v1@-1.884,11.082 -1.379,10.576 U1000.AG5@-1.379,10.112 -0.888,10.112 -0.585,9.809 ; U1000.AE6@-0.94,8.733 U1000.AE6@-0.919,8.733 -0.919,9.181 -0.585,9.515 -0.585,9.809 ; U1000.N18@-0.914,-2.298 U1000.N18@-0.912,-2.298 ; -0.495,9.809 -0.585,9.809 ; U1000.M18@-0.46,-2.758 U1000.M18@-0.46,-2.75 ; v1(2.374,6.112) 2.402,6.084 2.402,5.902 2.758,5.547 ; v1(2.758,5.056) 2.758,5.062 2.758,5.547 ; U1000.C18@3.677,-6.894 3.677,-7.323 4.168,-7.814 U1000.A18@4.596,-7.814 4.596,-7.84 4.645,-7.889 4.645,-9.335 4.8,-9.49 v1(4.8,-9.5) ; U1000.V3@3.677,6.894 3.677,6.466 2.758,5.547 ; v1(5.378,10.979) 5.378,10.939 5.443,10.873 v1(5.443,9.975) 5.443,9.233 5.534,9.143 v1(5.534,9.103) ; v1(5.535,3.653) 5.539,3.653 5.975,3.217 ; U1000.L5@5.975,2.758 5.975,3.217 ; v1(6.435,3.677) 5.975,3.217 ; v1(6.894,-0.46) 6.894,-0.467 7.346,-0.919 v1(7.346,-0.927) 7.35,-0.923 7.81,-0.923 U1000.E7@7.814,-0.919 ; U1000.J5@6.894,1.838 7.354,1.838 7.814,2.298 ; v1(7.357,-1.845) v1@7.81,-2.298 ; v1(7.6,-25.3) R2412.2@7.6,-24.925 ; v1(9.164,2.762) 10.254,3.85 10.477,3.85 v1(10.506,3.88) 10.902,3.88 11.173,4.151 11.173,4.632 11.4,4.859 v1(11.4,4.9) v1(12,5.5) v1(12.5,6) v1@12.541,6 ; C2928.1@9.834,24.9 10.128,25.194 10.128,25.347 12.2,27.419 12.2,28.518 ; C2928.1@9.848,24.886 9.849,24.886 C2917.1@10.116,24.622 C2917.1@10.116,24.622 ; U2900.63@9.853,21.169 U2900.63@9.853,21.162 10.4,20.615 10.4,20.6 ; U2900.62@10.093,21.409 U2900.62@10.101,21.409 10.61,20.9 10.7,20.9 ; U1000.B5@10.112,-1.379 10.112,-0.951 10.562,-0.5 11.055,-0.008 v1(11.084,-0.008) ; U2900.56@11.586,22.894 12.08,22.4 12.1,22.4 ; v1(12.825,-1.293) 13.617,-1.293 14.624,-0.286 14.833,-0.286 C2705.1@14.875,-0.244 14.864,-0.233 14.864,0.16 14.325,0.7 v1@14,0.7 ; v1(12.859,0.269) 13.059,0.47 13.716,0.47 13.965,0.718 v1(14.003,0.718) ; v1(13.405,2.594) 15.349,2.594 v1(16.095,1.848) ; v1@13.598,5.019 v1(13.6,5.021) 14.421,5.021 14.8,5.4 v1(14.8,6.021) 14.813,6.008 17.82,6.008 v1(17.833,5.995) ; 13.9,22.4 13.92,22.4 U2900.47@14.414,22.894 ; v1(15.164,0.736) 15.194,0.736 15.557,0.374 U2700.J1@16.592,0.374 ; C2914.1@15.377,13.623 15.594,13.406 v1(15.899,13.406) ; U2700.G1@16.592,1.674 U2700.G1@16.616,1.698 ; C2936.2@16.822,23.617 C2936.2@16.822,23.617 ; C2948.2@17.329,23.113 17.494,22.948 17.659,22.783 17.659,22.741 ; 17.865,2 U2700.G3@18.192,1.674 ; U2700.J3@18.167,0.349 U2700.J3@18.192,0.374 ; U2700.T3@18.192,-4.176 18.521,-3.847 ; U2700.P3@18.192,-2.876 18.22,-2.848 18.37,-2.848 U2700.N4@18.992,-2.226 ; U2700.AB3@18.216,-8.052 U2700.AB3@18.192,-8.076 18.557,-8.442 19.426,-8.442 v1(19.792,-8.076) ; v1(18.644,3.284) 18.644,2.699 18.687,2.656 ; U2700.V5@19.767,-5.452 U2700.V5@19.792,-5.476 ; U2700.E5@19.767,2.949 v1(19.792,2.974) ; U2700.E8@22.192,2.974 U2700.E8@22.216,2.949 ; v1@22.395,-1.174 v1(22.431,-1.174) ; C2713.1@23.55,-9.3 23.55,-8.814 23.782,-8.583 v1(23.782,-8.541) ; v1(24.114,1.376) v1@24.134,1.356 ; U2700.G12@25.389,1.671 U2700.G12@25.392,1.674 ; v2(25.6,-19.9) 26.551,-19.9 26.851,-20.2 27.097,-20.2 27.169,-20.272 27.981,-20.272 28.142,-20.433 28.162,-20.433 28.8,-21.071 30.229,-21.071 31.956,-19.344 31.956,-16.5 v1(31.759,-16.303) 31.719,-16.303 31.56,-16.144 28.921,-16.144 27.383,-14.606 v1(26.92,-14.606) ; 25.601,8.601 25.2,8.2 25.2,7.3 26.2,6.3 26.2,5.263 v1(25.822,4.885) ; v1(29.968,-19.542) 29.94,-19.513 29.738,-19.513 29.699,-19.474 29.649,-19.474 R3125.1@29.525,-19.35 ; v1@30.187,-16.128 v1(30.205,-16.144) ; v1(33.857,18.916) 34.384,18.916 34.6,18.7 ED3401.2@34.6,18.125 ; C1202.1@-14.008,-1.323 -14.025,-1.306 -14.025,-1.271 -13.754,-1 -13.3,-1 -13.113,-1.187 -12.424,-1.187 -12,-0.762 -11.825,-0.762 -11.531,-0.469 ; R3125.1@29.525,-19.35 R3125.1@29.525,-19.3 R3125.1@29.525,-19.35
  L1_Sig w0.178: v1(3.171,-5.985) 3.206,-5.985 3.339,-6.119 3.361,-6.119 3.638,-6.396
  L1_Sig w0.203: JP3300.2@-44.25,-2 v1(-42.4,-2) ; C2303.2@-27.523,23.477 -27.506,23.459 -27.259,23.459 -27.041,23.241 v1(-27.041,23.118) -27.041,22.994 C2304.2@-27.023,22.977 -27.006,22.959 -26.759,22.959 -26.6,22.8 v1(-26.605,22.795) -26.605,22.569 C2301.1@-26.588,22.551 ; C2305.1@-27.458,17.821 -27.441,17.839 -27.161,17.839 ; R2305.1@-27.034,18.245 -27.052,18.228 -27.052,17.948 -27.161,17.839 ; v1(-26.739,17.415) -27.161,17.837 -27.161,17.839 ; v1(-18.886,-13.919) -18.872,-13.933 -18.342,-13.933 -18.328,-13.947 C2102.2@-17.535,-13.947 ; -8.373,-24.048 -8.275,-23.95 -8.275,-23.9 -7.625,-23.9 ; v1(-1.835,-11.433) -1.816,-11.414 -1.742,-11.414 -1.452,-11.124 -1.452,-11.117 -1.379,-11.044 U1000.D28@-1.379,-11.031 ; v1(0.46,-11.031) 0.46,-11.018 0.534,-10.944 0.534,-10.199 0.46,-10.124 U1000.C25@0.46,-10.112 ; U1000.K1@8.275,4.135 v1@8.733,4.593 ; U1000.F1@10.113,2.297 10.115,2.297 10.575,2.757 v1(10.58,2.757) ; v1(14.9,-2.4) 14.919,-2.419 14.919,-2.776 14.999,-2.856 C2719.1@14.999,-2.889